# KiCad board motordecoder2-k3066v3-p.kicad_pcb (continued)
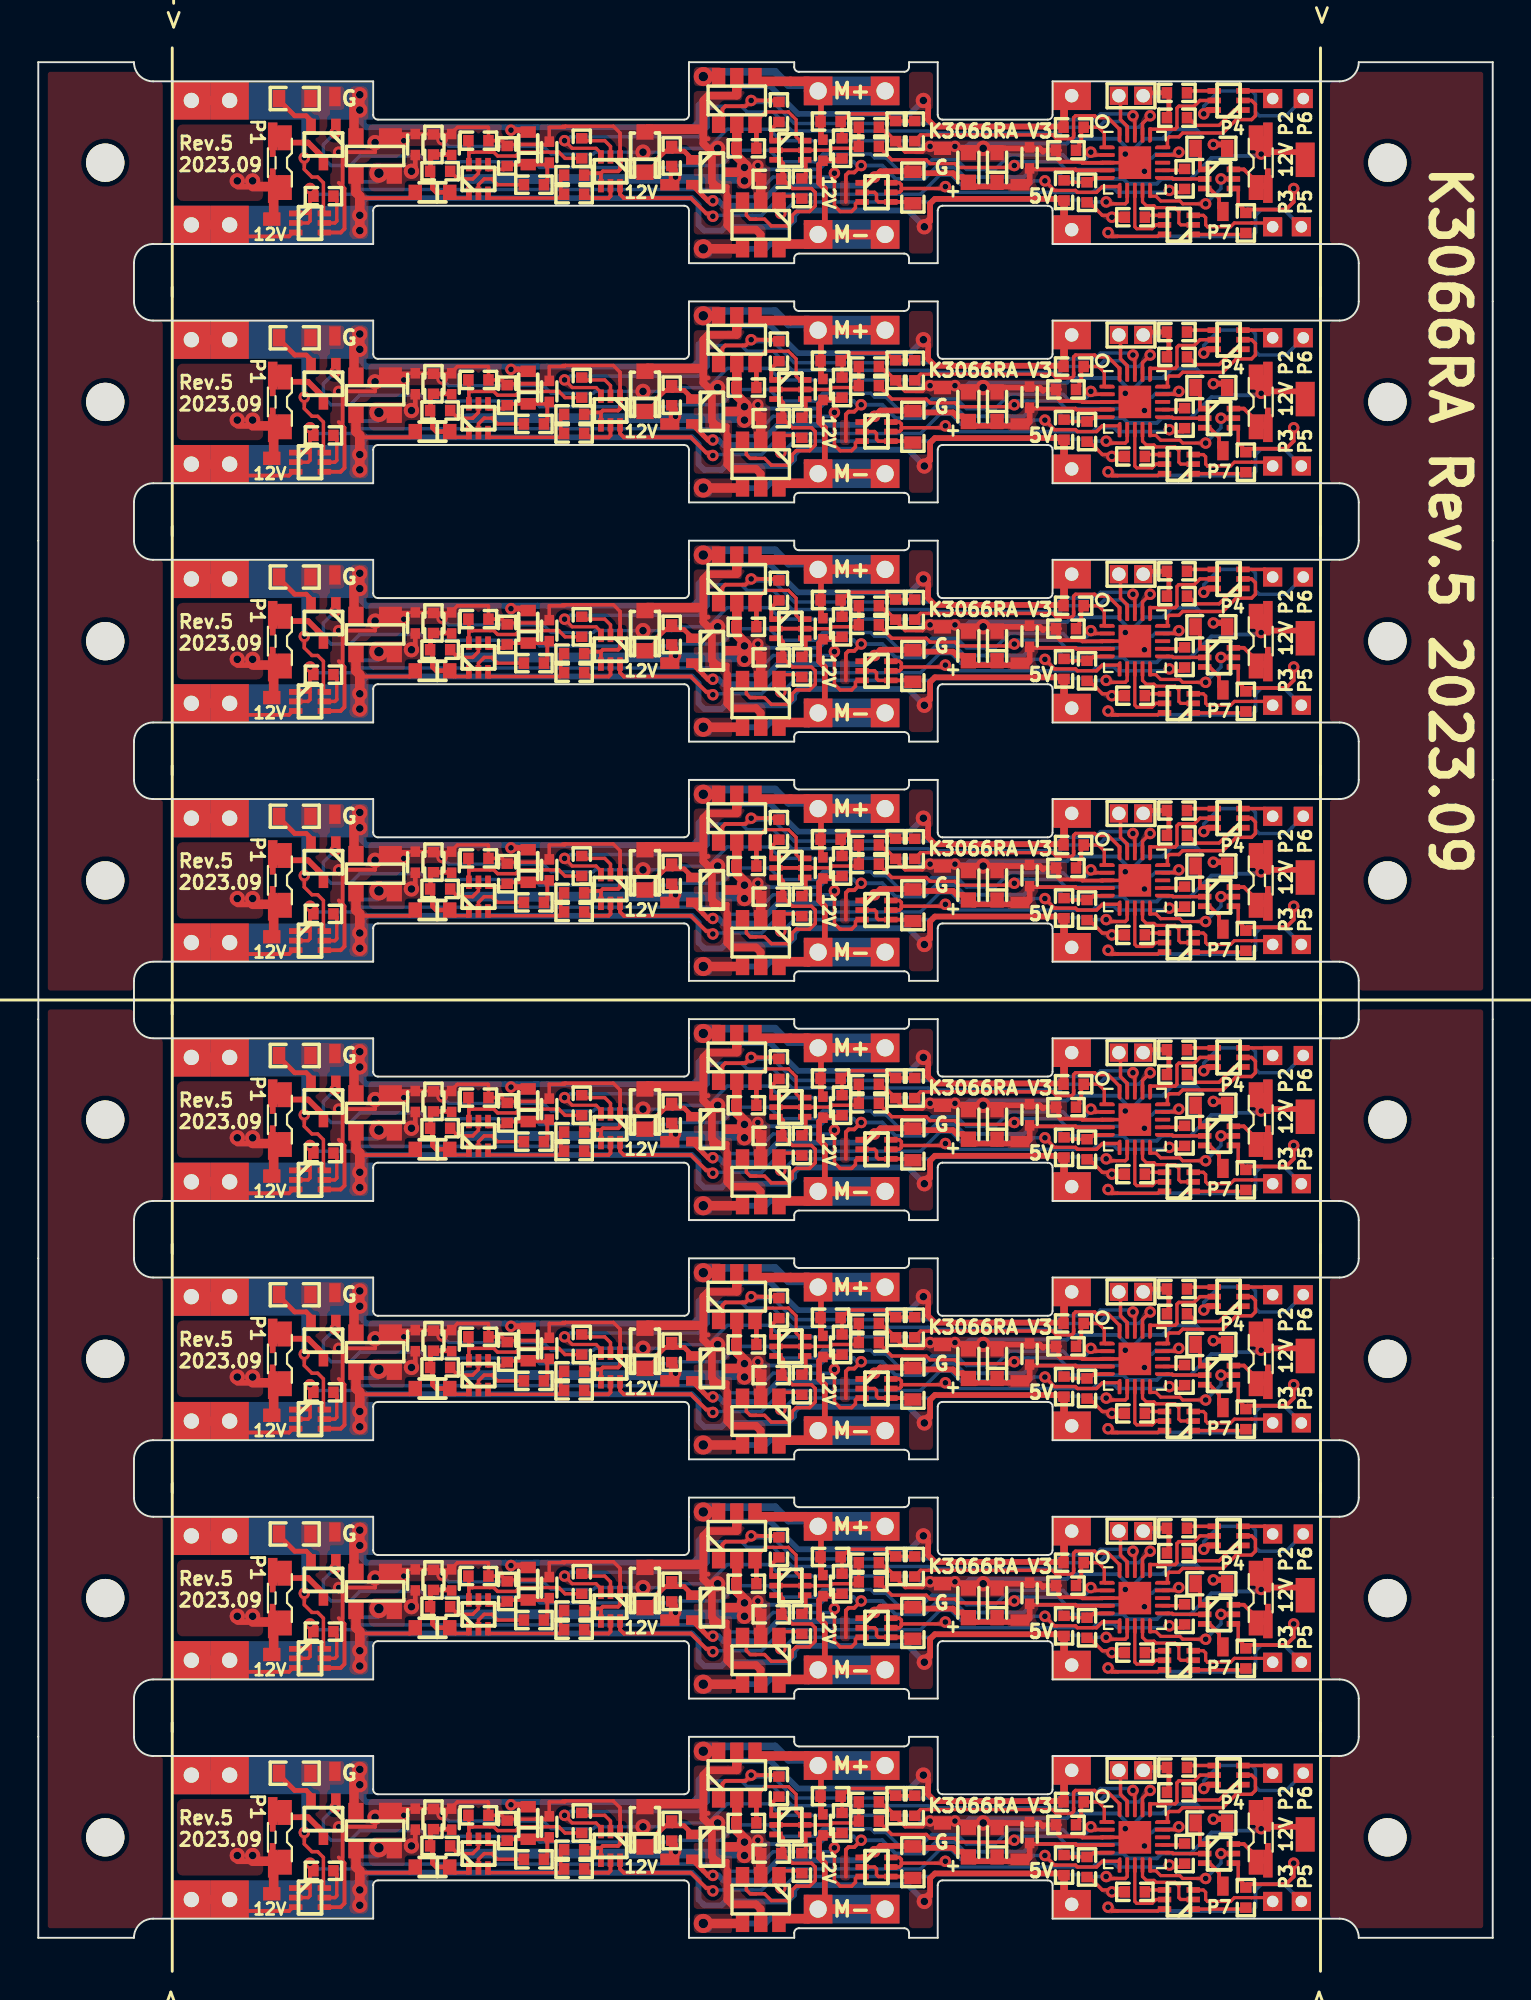
[diagram p0: board, top side]
## Placement (name value [footprint] x y rotation side) (continued)
R140  472  [R_1005]  33.1 43.1 90 top
R141  103  [R_1005]  59.9 41.9 90 top
R142  220  [R_1608_v2]  45.7 41.45 90 top
R143  682  [R_1005]  14.9 41 0 top
R144  103  [R_1005]  44.8 44.4 270 top
R145  104  [R_1005]  53.7 43.4 180 top
R146  104  [R_1005]  54.8 41.2 270 top
R147  151  [R_1608_v2]  13.4 46.1 0 top
R148  151  [R_1608_v2]  61.3 43.5 0 top
R149  472  [R_1005]  63.1 39.6 90 top
R150  472  [R_1005]  57.3 39.9 180 top
R151  472  [R_1005]  59.5 45.1 180 top
R152  472  [R_1005]  59.5 46.4 180 top
R153  102  [R_1005]  25.9 41.6 0 top
R154  103  [R_1005]  24.5 43.1 90 top
R155  472  [R_1005]  23 43.9 0 top
R156  103  [R_1005]  28.4 43.5 270 top
R157  102  [R_1005]  21 42.3 180 top
R158  103  [R_1005]  20.65 43.7 90 top
R159  472  [R_1005]  28 42.1 0 top
R160  103  [R_1005]  28 41.1 180 top
R161  104  [R_1005]  54.1 32.1 0 top
R162  104  [R_1005]  53.6 28.8 90 top
R163  102  [R_1005]  37 31 0 top
R164  102  [R_1005]  38.3 29.4 0 top
R165  331  [R_1005]  38.7 32.9 90 top
R166  331  [R_1005]  39.9 28.9 270 top
R167  102  [R_1005]  43.4 31.1 180 top
R168  102  [R_1005]  43.4 32.1 0 top
R169  103  [R_1005]  41.4 32.4 180 top
R170  103  [R_1005]  42 31 270 top
R171  102  [R_1005]  45.8 31.9 90 top
R172  472  [R_1005]  33.1 30.6 90 top
R173  103  [R_1005]  59.9 29.4 90 top
R174  220  [R_1608_v2]  45.7 28.95 90 top
R175  682  [R_1005]  14.9 28.5 0 top
R176  103  [R_1005]  44.8 31.9 270 top
R177  104  [R_1005]  53.7 30.9 180 top
R178  104  [R_1005]  54.8 28.7 270 top
R179  151  [R_1608_v2]  13.4 33.6 0 top
R180  151  [R_1608_v2]  61.3 31 0 top
R181  472  [R_1005]  63.1 27.1 90 top
R182  472  [R_1005]  57.3 27.4 180 top
R183  472  [R_1005]  59.5 32.6 180 top
R184  472  [R_1005]  59.5 33.9 180 top
R185  102  [R_1005]  25.9 29.1 0 top
R186  103  [R_1005]  24.5 30.6 90 top
R187  472  [R_1005]  23 31.4 0 top
R188  103  [R_1005]  28.4 31 270 top
R189  102  [R_1005]  21 29.8 180 top
R190  103  [R_1005]  20.65 31.2 90 top
R191  472  [R_1005]  28 29.6 0 top
R192  103  [R_1005]  28 28.6 180 top
R193  104  [R_1005]  54.1 19.6 0 top
R194  104  [R_1005]  53.6 16.3 90 top
R195  102  [R_1005]  37 18.5 0 top
R196  102  [R_1005]  38.3 16.9 0 top
R197  331  [R_1005]  38.7 20.4 90 top
R198  331  [R_1005]  39.9 16.4 270 top
R199  102  [R_1005]  43.4 18.6 180 top
R200  102  [R_1005]  43.4 19.6 0 top
R201  103  [R_1005]  41.4 19.9 180 top
R202  103  [R_1005]  42 18.5 270 top
R203  102  [R_1005]  45.8 19.4 90 top
R204  472  [R_1005]  33.1 18.1 90 top
R205  103  [R_1005]  59.9 16.9 90 top
R206  220  [R_1608_v2]  45.7 16.45 90 top
R207  682  [R_1005]  14.9 16 0 top
R208  103  [R_1005]  44.8 19.4 270 top
R209  104  [R_1005]  53.7 18.4 180 top
R210  104  [R_1005]  54.8 16.2 270 top
R211  151  [R_1608_v2]  13.4 21.1 0 top
R212  151  [R_1608_v2]  61.3 18.5 0 top
R213  472  [R_1005]  63.1 14.6 90 top
R214  472  [R_1005]  57.3 14.9 180 top
R215  472  [R_1005]  59.5 20.1 180 top
R216  472  [R_1005]  59.5 21.4 180 top
R217  102  [R_1005]  25.9 16.6 0 top
R218  103  [R_1005]  24.5 18.1 90 top
R219  472  [R_1005]  23 18.9 0 top
R220  103  [R_1005]  28.4 18.5 270 top
R221  102  [R_1005]  21 17.3 180 top
R222  103  [R_1005]  20.65 18.7 90 top
R223  472  [R_1005]  28 17.1 0 top
R224  103  [R_1005]  28 16.1 180 top
R225  104  [R_1005]  54.1 7.1 0 top
R226  104  [R_1005]  53.6 3.8 90 top
R227  102  [R_1005]  37 6 0 top
R228  102  [R_1005]  38.3 4.4 0 top
R229  331  [R_1005]  38.7 7.9 90 top
R230  331  [R_1005]  39.9 3.9 270 top
R231  102  [R_1005]  43.4 6.1 180 top
R232  102  [R_1005]  43.4 7.1 0 top
R233  103  [R_1005]  41.4 7.4 180 top
R234  103  [R_1005]  42 6 270 top
R235  102  [R_1005]  45.8 6.9 90 top
R236  472  [R_1005]  33.1 5.6 90 top
R237  103  [R_1005]  59.9 4.4 90 top
R238  220  [R_1608_v2]  45.7 3.95 90 top
R239  682  [R_1005]  14.9 3.5 0 top
R240  103  [R_1005]  44.8 6.9 270 top
R241  104  [R_1005]  53.7 5.9 180 top
R242  104  [R_1005]  54.8 3.7 270 top
R243  151  [R_1608_v2]  13.4 8.6 0 top
R244  151  [R_1608_v2]  61.3 6 0 top
R245  472  [R_1005]  63.1 2.1 90 top
R246  472  [R_1005]  57.3 2.4 180 top
R247  472  [R_1005]  59.5 7.6 180 top
R248  472  [R_1005]  59.5 8.9 180 top
R249  102  [R_1005]  25.9 4.1 0 top
R250  103  [R_1005]  24.5 5.6 90 top
R251  472  [R_1005]  23 6.4 0 top
R252  103  [R_1005]  28.4 6 270 top
R253  102  [R_1005]  21 4.8 180 top
R254  103  [R_1005]  20.65 6.2 90 top
R255  472  [R_1005]  28 4.6 0 top
R256  103  [R_1005]  28 3.6 180 top
REF**  -  [HOLE_MASK_LOCK]  3.5 92.75 0 top
REF**1  -  [HOLE_MASK_LOCK]  3.5 80.25 0 top
REF**2  -  [HOLE_MASK_LOCK]  3.5 67.75 0 top
REF**3  -  [HOLE_MASK_LOCK]  3.5 55.25 0 top
REF**4  -  [HOLE_MASK_LOCK]  3.5 42.75 0 top
REF**5  -  [HOLE_MASK_LOCK]  3.5 30.25 0 top
REF**6  -  [HOLE_MASK_LOCK]  3.5 17.75 0 top
REF**7  -  [HOLE_MASK_LOCK]  3.5 5.25 0 top
U2  ATtiny1606-M  [VQFN-20-1EP_3x3mm_P0.4mm_EP1.7x1.7mm]  57.3 92.75 0 top
U3  ATtiny1606-M  [VQFN-20-1EP_3x3mm_P0.4mm_EP1.7x1.7mm]  57.3 80.25 0 top
U4  ATtiny1606-M  [VQFN-20-1EP_3x3mm_P0.4mm_EP1.7x1.7mm]  57.3 67.75 0 top
U5  ATtiny1606-M  [VQFN-20-1EP_3x3mm_P0.4mm_EP1.7x1.7mm]  57.3 55.25 0 top
U6  ATtiny1606-M  [VQFN-20-1EP_3x3mm_P0.4mm_EP1.7x1.7mm]  57.3 42.75 0 top
U7  ATtiny1606-M  [VQFN-20-1EP_3x3mm_P0.4mm_EP1.7x1.7mm]  57.3 30.25 0 top
U8  ATtiny1606-M  [VQFN-20-1EP_3x3mm_P0.4mm_EP1.7x1.7mm]  57.3 17.75 0 top
U9  ATtiny1606-M  [VQFN-20-1EP_3x3mm_P0.4mm_EP1.7x1.7mm]  57.3 5.25 0 top

## Footprints (pads in the part's own frame, mm; a bottom-side part is the same pattern mirrored in y, then rotated)
C_1005_v2
  rect 0.55x0.5 smd: 1(-0.55,0) 2(0.55,0)
C_1608
  rect 0.8x0.8 smd: 1(-0.775,0) 2(0.775,0)
CP_1608
  rect 0.8x0.7 smd: 1(-0.775,0) 2(0.775,0)
EMD2
  rect 0.7x0.8 smd: 1(0.9,0) 2(-0.9,0)
EMD2_small
  rect 0.6x0.8 smd: 1(0.85,0) 2(-0.85,0)
HOLE_MASK_LOCK
  round 2 hole 2 unplated: (0,0)
KATO_FRAMEPAD_3066_2
  rect 2x1.5 hole 0.7: 1(0,0)
KATO_FRAMEPAD_3066_v2
  rect 6.5x2 smd far side: 1(-5.25,0)
  rect 2x2 hole 0.8: 1(-1,0) 1(1,0)
KATO_MOTORPAD_3066
  rect 1.5x1.5 hole 0.9: 1(-1.75,0) 1(1.75,0)
  rect 2x1.5 smd far side: 1(0,0)
LED_1224_1005_SIDE_BIG2
  rect 1.45x0.5 smd: 1(-1.375,0.25) 2(1.375,0.25)
  rect 1.3x0.75 smd: 1(-1.3,0.875) 2(1.3,0.875)
  rect 0.5x0.3 smd: 1(-0.55,0.25) 2(0.55,0.25)
PAD_0.6x1.0_SMD
  rect 0.6x1 smd: 1(0,0)
PAD_0.7x0.9_SMD
  rect 0.7x0.9 smd: 1(0,0)
PAD_1.0x1.0_Hole0.6
  rect 1x1 hole 0.6: 1(0,0)
PAD_1.0x1.8_SMD
  rect 1x1.8 smd: 1(0,0)
PAD_PROG_2PIN_HOLE0.7
  rect 0.95x0.95 hole 0.7: 1(-0.635,0) 2(0.635,0)
R_1005
  rect 0.55x0.6 smd: 1(-0.525,0) 2(0.525,0)
R_1608_v2
  rect 0.65x0.9 smd: 1(-0.825,0) 2(0.825,0)
SC-70_v2
  rect 0.5x0.8 smd: 1(-0.65,-0.95) 2(0.65,-0.95) 3(0,0.95)
SOT-23-6
  rect 0.7x1 smd: 1(-0.95,-1.2) 2(0,-1.2) 3(0.95,-1.2) 4(0.95,1.2) 5(0,1.2) 6(-0.95,1.2)
SOT-143
  rect 1.2x0.9 smd: 1(-0.8,-1)
  rect 0.8x0.9 smd: 2(1,-1) 3(1,1) 4(-1,1)
SOT-666-nomark
  rect 0.7x0.3 smd: 1(-0.75,0.5) 2(-0.75,0) 3(-0.75,-0.5) 4(0.75,-0.5) 5(0.75,0) 6(0.75,0.5)
UMD2
  rect 0.8x0.9 smd: 1(1.05,0) 2(-1.05,0)
unnamed
  round 2 hole 2 unplated: (0,0)
VQFN-20-1EP_3x3mm_P0.4mm_EP1.7x1.7mm
  rrect 0.69x0.69 smd: (-0.425,0.425) (-0.425,-0.425) (0.425,0.425) (0.425,-0.425)
  custom 0.8x0.2 smd: 1(-1.45,0.8) 5(-1.45,-0.8) 11(1.45,-0.8) 15(1.45,0.8)
  rrect 0.8x0.2 smd: 2(-1.45,0.4) 3(-1.45,0) 4(-1.45,-0.4) 12(1.45,-0.4) 13(1.45,0) 14(1.45,0.4)
  custom 0.2x0.8 smd: 6(-0.8,-1.45) 10(0.8,-1.45) 16(0.8,1.45) 20(-0.8,1.45)
  rrect 0.2x0.8 smd: 7(-0.4,-1.45) 8(0,-1.45) 9(0.4,-1.45) 17(0.4,1.45) 18(0,1.45) 19(-0.4,1.45)
  rect 1.7x1.7 smd: 21(0,0)

## Nets
+5V: C3.1 C4.1 C5.1 C6.1 C8.1 C9.1 C16.1 C17.1 C18.1 C23.1 C24.1 C25.1 C30.1 C31.1 C32.1 C37.1 C38.1 C39.1 C44.1 C45.1 C46.1 C51.1 C52.1 C53.1 P10.1 P21.1 P32.1 P43.1 P54.1 P65.1 P76.1 P87.1 Q5.2 Q6.1 Q10.2 Q15.1 Q28.2 Q29.1 Q40.2 Q41.1 Q52.2 Q53.1 Q64.2 Q65.1 Q76.2 Q77.1 Q88.2 Q89.1 R14.2 R46.2 R78.2 R110.2 R142.2 R174.2 R206.2 R238.2 U2.4 U3.4 U4.4 U5.4 U6.4 U7.4 U8.4 U9.4
+12V: C1.1 C2.1 C15.1 C22.1 C29.1 C36.1 C43.1 C50.1 D1.4 D2.4 D5.4 D7.4 D9.4 D11.2 D12.2 D13.2 D14.2 D15.2 D16.2 D17.2 D18.2 D19.2 D20.2 D31.4 D33.2 D34.2 D37.4 D39.2 D40.2 D43.4 D45.2 D46.2 J11.1 J13.1 J15.1 J20.1 J25.1 J27.1 J32.1 J34.1 J39.1 J41.1 J46.1 J48.1 J53.1 J55.1 J60.1 J62.1 P7.1 P18.1 P29.1 P40.1 P51.1 P62.1 P73.1 P84.1 Q1.2 Q2.2 Q4.2 Q5.3 Q7.2 Q10.3 Q25.2 Q26.2 Q28.3 Q37.2 Q38.2 Q40.3 Q49.2 Q50.2 Q52.3 Q61.2 Q62.2 Q64.3 Q73.2 Q74.2 Q76.3 Q85.2 Q86.2 Q88.3 R3.1 R4.1 R12.1 R27.1 R28.1 R44.1 R67.1 R68.1 R76.1 R99.1 R100.1 R108.1 R131.1 R132.1 R140.1 R163.1 R164.1 R172.1 R195.1 R196.1 R204.1 R227.1 R228.1 R236.1
GND: C1.2 C2.2 C3.2 C4.2 C5.2 C6.2 C8.2 C9.2 C11.2 C12.2 C13.2 C14.2 C15.2 C16.2 C17.2 C18.2 C20.2 C21.2 C22.2 C23.2 C24.2 C25.2 C27.2 C28.2 C29.2 C30.2 C31.2 C32.2 C34.2 C35.2 C36.2 C37.2 C38.2 C39.2 C41.2 C42.2 C43.2 C44.2 C45.2 C46.2 C48.2 C49.2 C50.2 C51.2 C52.2 C53.2 C55.2 C56.2 D1.1 D2.1 D3.2 D4.2 D5.1 D6.2 D7.1 D8.2 D9.1 D10.2 D31.1 D32.2 D37.1 D38.2 D43.1 D44.2 P8.1 P9.2 P11.1 P19.1 P20.2 P22.1 P30.1 P31.2 P33.1 P41.1 P42.2 P44.1 P52.1 P53.2 P55.1 P63.1 P64.2 P66.1 P74.1 P75.2 P77.1 P85.1 P86.2 P88.1 Q1.5 Q2.5 Q4.5 Q7.5 Q8.4 Q12.4 Q16.4 Q18.4 Q22.1 Q22.4 Q24.1 Q24.4 Q25.5 Q26.5 Q30.4 Q32.4 Q36.1 Q36.4 Q37.5 Q38.5 Q42.4 Q44.4 Q48.1 Q48.4 Q49.5 Q50.5 Q54.4 Q56.4 Q60.1 Q60.4 Q61.5 Q62.5 Q66.4 Q68.4 Q72.1 Q72.4 Q73.5 Q74.5 Q78.4 Q80.4 Q84.1 Q84.4 Q85.5 Q86.5 Q90.4 Q92.4 Q96.1 Q96.4 R8.2 R16.2 R17.2 R18.2 R21.2 R22.2 R23.2 R24.2 R25.2 R26.2 R32.2 R33.2 R36.2 R37.2 R40.2 R48.2 R49.2 R50.2 R51.2 R52.2 R53.2 R54.2 R55.2 R56.2 R58.2 R59.2 R62.2 R63.2 R72.2 R80.2 R81.2 R82.2 R83.2 R84.2 R85.2 R86.2 R87.2 R88.2 R90.2 R91.2 R94.2 R95.2 R104.2 R112.2 R113.2 R114.2 R115.2 R116.2 R117.2 R118.2 R119.2 R120.2 R122.2 R123.2 R126.2 R127.2 R136.2 R144.2 R145.2 R146.2 R147.2 R148.2 R149.2 R150.2 R151.2 R152.2 R154.2 R155.2 R158.2 R159.2 R168.2 R176.2 R177.2 R178.2 R179.2 R180.2 R181.2 R182.2 R183.2 R184.2 R186.2 R187.2 R190.2 R191.2 R200.2 R208.2 R209.2 R210.2 R211.2 R212.2 R213.2 R214.2 R215.2 R216.2 R218.2 R219.2 R222.2 R223.2 R232.2 R240.2 R241.2 R242.2 R243.2 R244.2 R245.2 R246.2 R247.2 R248.2 R250.2 R251.2 R254.2 R255.2 U2.3 U2.21 U3.3 U3.21 U4.3 U4.21 U5.3 U5.21 U6.3 U6.21 U7.3 U7.21 U8.3 U8.21 U9.3 U9.21
ABC+: Q22.6 Q24.6 Q36.6 Q48.6 Q60.6 Q72.6 Q84.6 Q96.6 U2.6 U3.6 U4.6 U5.6 U6.6 U7.6 U8.6 U9.6
ABC-: Q22.3 Q24.3 Q36.3 Q48.3 Q60.3 Q72.3 Q84.3 Q96.3 U2.17 U3.17 U4.17 U5.17 U6.17 U7.17 U8.17 U9.17
BEMF: R11.1 R43.1 R75.1 R107.1 R139.1 R171.1 R203.1 R235.1 U2.20 U3.20 U4.20 U5.20 U6.20 U7.20 U8.20 U9.20
DIR_JP: U2.13 U3.13 U4.13 U5.13 U6.13 U7.13 U8.13 U9.13
Func1: Q11.1 Q17.1 Q31.1 Q43.1 Q55.1 Q67.1 Q79.1 Q91.1 U2.2 U3.2 U4.2 U5.2 U6.2 U7.2 U8.2 U9.2
Func2: Q14.5 Q20.5 Q34.5 Q46.5 Q58.5 Q70.5 Q82.5 Q94.5 U2.16 U3.16 U4.16 U5.16 U6.16 U7.16 U8.16 U9.16
Func3: Q13.5 Q19.5 Q33.5 Q45.5 Q57.5 Q69.5 Q81.5 Q93.5 U2.8 U3.8 U4.8 U5.8 U6.8 U7.8 U8.8 U9.8
Func4: Q12.2 Q18.2 Q32.2 Q44.2 Q56.2 Q68.2 Q80.2 Q92.2 U2.11 U3.11 U4.11 U5.11 U6.11 U7.11 U8.11 U9.11
Func5: Q13.2 Q19.2 Q33.2 Q45.2 Q57.2 Q69.2 Q81.2 Q93.2 U2.9 U3.9 U4.9 U5.9 U6.9 U7.9 U8.9 U9.9
Func6: Q14.2 Q20.2 Q34.2 Q46.2 Q58.2 Q70.2 Q82.2 Q94.2 U2.15 U3.15 U4.15 U5.15 U6.15 U7.15 U8.15 U9.15
Func7: Q12.5 Q18.5 Q32.5 Q44.5 Q56.5 Q68.5 Q80.5 Q92.5 U2.10 U3.10 U4.10 U5.10 U6.10 U7.10 U8.10 U9.10
FWD: Q2.1 Q7.1 Q26.1 Q38.1 Q50.1 Q62.1 Q74.1 Q86.1 R6.2 R30.2 R70.2 R102.2 R134.2 R166.2 R198.2 R230.2 U2.7 U3.7 U4.7 U5.7 U6.7 U7.7 U8.7 U9.7
MOTOR+: C7.1 C10.1 C19.1 C26.1 C33.1 C40.1 C47.1 C54.1 P5.1 P16.1 P27.1 P38.1 P49.1 P60.1 P71.1 P82.1 Q1.4 Q1.6 Q4.4 Q4.6 Q25.4 Q25.6 Q37.4 Q37.6 Q49.4 Q49.6 Q61.4 Q61.6 Q73.4 Q73.6 Q85.4 Q85.6 R9.2 R41.2 R73.2 R105.2 R137.2 R169.2 R201.2 R233.2
MOTOR-: C7.2 C10.2 C19.2 C26.2 C33.2 C40.2 C47.2 C54.2 P6.1 P17.1 P28.1 P39.1 P50.1 P61.1 P72.1 P83.1 Q2.4 Q2.6 Q7.4 Q7.6 Q26.4 Q26.6 Q38.4 Q38.6 Q50.4 Q50.6 Q62.4 Q62.6 Q74.4 Q74.6 Q86.4 Q86.6 R10.2 R42.2 R74.2 R106.2 R138.2 R170.2 R202.2 R234.2
PWM: R7.1 R39.1 R71.1 R103.1 R135.1 R167.1 R199.1 R231.1 U2.14 U3.14 U4.14 U5.14 U6.14 U7.14 U8.14 U9.14
RAIL+: D1.2 D2.2 D5.2 D7.2 D9.2 D21.2 D23.2 D25.2 D27.2 D29.2 D31.2 D35.2 D37.2 D41.2 D43.2 D47.2 P1.1 P2.1 P12.1 P13.1 P23.1 P24.1 P34.1 P35.1 P45.1 P46.1 P56.1 P57.1 P67.1 P68.1 P78.1 P79.1 Q8.6 Q16.6 Q30.6 Q42.6 Q54.6 Q66.6 Q78.6 Q90.6 R1.1 R19.1 R65.1 R97.1 R129.1 R161.1 R193.1 R225.1
RAIL-: D1.3 D2.3 D5.3 D7.3 D9.3 D22.2 D24.2 D26.2 D28.2 D30.2 D31.3 D36.2 D37.3 D42.2 D43.3 D48.2 P3.1 P4.1 P14.1 P15.1 P25.1 P26.1 P36.1 P37.1 P47.1 P48.1 P58.1 P59.1 P69.1 P70.1 P80.1 P81.1 Q8.3 Q16.3 Q30.3 Q42.3 Q54.3 Q66.3 Q78.3 Q90.3 R2.1 R20.1 R66.1 R98.1 R130.1 R162.1 R194.1 R226.1
REV: Q1.1 Q4.1 Q25.1 Q37.1 Q49.1 Q61.1 Q73.1 Q85.1 R5.2 R29.2 R69.2 R101.2 R133.2 R165.2 R197.2 R229.2 U2.18 U3.18 U4.18 U5.18 U6.18 U7.18 U8.18 U9.18
TXD: R13.2 R45.2 R77.2 R109.2 R141.2 R173.2 R205.2 R237.2 U2.12 U3.12 U4.12 U5.12 U6.12 U7.12 U8.12 U9.12
UPDI: P9.1 P20.1 P31.1 P42.1 P53.1 P64.1 P75.1 P86.1 U2.19 U3.19 U4.19 U5.19 U6.19 U7.19 U8.19 U9.19
VRAIL+: C11.1 C13.1 C20.1 C27.1 C34.1 C41.1 C48.1 C55.1 D21.1 D23.1 D25.1 D27.1 D29.1 D35.1 D41.1 D47.1 Q21.4 Q23.4 Q35.4 Q47.4 Q59.4 Q71.4 Q83.4 Q95.4 R31.2 R32.1 R57.2 R58.1 R89.2 R90.1 R121.2 R122.1 R153.2 R154.1 R185.2 R186.1 R217.2 R218.1 R249.2 R250.1
VRAIL-: C12.1 C14.1 C21.1 C28.1 C35.1 C42.1 C49.1 C56.1 D22.1 D24.1 D26.1 D28.1 D30.1 D36.1 D42.1 D48.1 Q21.1 Q23.1 Q35.1 Q47.1 Q59.1 Q71.1 Q83.1 Q95.1 R35.2 R36.1 R61.2 R62.1 R93.2 R94.1 R125.2 R126.1 R157.2 R158.1 R189.2 R190.1 R221.2 R222.1 R253.2 R254.1
Net-(D3-Pad1): D3.1 D4.1 D6.1 D8.1 D10.1 D32.1 D38.1 D44.1 Q5.1 Q10.1 Q28.1 Q40.1 Q52.1 Q64.1 Q76.1 Q88.1 R12.2 R44.2 R76.2 R108.2 R140.2 R172.2 R204.2 R236.2
Net-(D11-Pad1): D11.1 D13.1 D15.1 D17.1 D19.1 D33.1 D39.1 D45.1 Q11.3 Q17.3 Q31.3 Q43.3 Q55.3 Q67.3 Q79.3 Q91.3
Net-(D12-Pad1): D12.1 D14.1 D16.1 D18.1 D20.1 D34.1 D40.1 D46.1 Q12.6 Q18.6 Q32.6 Q44.6 Q56.6 Q68.6 Q80.6 Q92.6
Net-(J12-Pad1): J12.1 J17.1 J26.1 J33.1 J40.1 J47.1 J54.1 J61.1 Q13.6 Q19.6 Q33.6 Q45.6 Q57.6 Q69.6 Q81.6 Q93.6
Net-(J14-Pad1): J14.1 J21.1 J28.1 J35.1 J42.1 J49.1 J56.1 J63.1 Q13.3 Q19.3 Q33.3 Q45.3 Q57.3 Q69.3 Q81.3 Q93.3
Net-(J16-Pad1): J16.1 J22.1 J29.1 J36.1 J43.1 J50.1 J57.1 J64.1 Q14.6 Q20.6 Q34.6 Q46.6 Q58.6 Q70.6 Q82.6 Q94.6
Net-(J18-Pad1): J18.1 J23.1 J30.1 J37.1 J44.1 J51.1 J58.1 J65.1 Q14.3 Q20.3 Q34.3 Q46.3 Q58.3 Q70.3 Q82.3 Q94.3
Net-(J19-Pad1): J19.1 J24.1 J31.1 J38.1 J45.1 J52.1 J59.1 J66.1 Q12.3 Q18.3 Q32.3 Q44.3 Q56.3 Q68.3 Q80.3 Q92.3
Net-(Q1-Pad3): Q1.3 Q3.6 Q4.3 Q9.6 Q25.3 Q27.6 Q37.3 Q39.6 Q49.3 Q51.6 Q61.3 Q63.6 Q73.3 Q75.6 Q85.3 Q87.6 R3.2 R27.2 R67.2 R99.2 R131.2 R163.2 R195.2 R227.2
Net-(Q2-Pad3): Q2.3 Q3.3 Q7.3 Q9.3 Q26.3 Q27.3 Q38.3 Q39.3 Q50.3 Q51.3 Q62.3 Q63.3 Q74.3 Q75.3 Q86.3 Q87.3 R4.2 R28.2 R68.2 R100.2 R132.2 R164.2 R196.2 R228.2
Net-(Q3-Pad1): Q3.1 Q9.1 Q27.1 Q39.1 Q51.1 Q63.1 Q75.1 Q87.1 R5.1 R29.1 R69.1 R101.1 R133.1 R165.1 R197.1 R229.1
Net-(Q3-Pad2): Q3.2 Q3.5 Q9.2 Q9.5 Q27.2 Q27.5 Q39.2 Q39.5 Q51.2 Q51.5 Q63.2 Q63.5 Q75.2 Q75.5 Q87.2 Q87.5 R7.2 R8.1 R39.2 R40.1 R71.2 R72.1 R103.2 R104.1 R135.2 R136.1 R167.2 R168.1 R199.2 R200.1 R231.2 R232.1
Net-(Q3-Pad4): Q3.4 Q9.4 Q27.4 Q39.4 Q51.4 Q63.4 Q75.4 Q87.4 R6.1 R30.1 R70.1 R102.1 R134.1 R166.1 R198.1 R230.1
Net-(Q6-Pad2): Q6.2 Q6.4 Q15.2 Q15.4 Q29.2 Q29.4 Q41.2 Q41.4 Q53.2 Q53.4 Q65.2 Q65.4 Q77.2 Q77.4 Q89.2 Q89.4 R14.1 R46.1 R78.1 R110.1 R142.1 R174.1 R206.1 R238.1
Net-(Q6-Pad3): Q6.3 Q8.1 Q8.2 Q15.3 Q16.1 Q16.2 Q29.3 Q30.1 Q30.2 Q41.3 Q42.1 Q42.2 Q53.3 Q54.1 Q54.2 Q65.3 Q66.1 Q66.2 Q77.3 Q78.1 Q78.2 Q89.3 Q90.1 Q90.2 R15.1 R47.1 R79.1 R111.1 R143.1 R175.1 R207.1 R239.1
Net-(Q6-Pad5): Q6.5 Q6.6 Q15.5 Q15.6 Q29.5 Q29.6 Q41.5 Q41.6 Q53.5 Q53.6 Q65.5 Q65.6 Q77.5 Q77.6 Q89.5 Q89.6 R13.1 R45.1 R77.1 R109.1 R141.1 R173.1 R205.1 R237.1
Net-(Q8-Pad5): Q8.5 Q16.5 Q30.5 Q42.5 Q54.5 Q66.5 Q78.5 Q90.5 R15.2 R47.2 R79.2 R111.2 R143.2 R175.2 R207.2 R239.2
Net-(Q11-Pad2): Q11.2 Q17.2 Q31.2 Q43.2 Q55.2 Q67.2 Q79.2 Q91.2 R21.1 R51.1 R83.1 R115.1 R147.1 R179.1 R211.1 R243.1
Net-(Q12-Pad1): Q12.1 Q18.1 Q32.1 Q44.1 Q56.1 Q68.1 Q80.1 Q92.1 R22.1 R52.1 R84.1 R116.1 R148.1 R180.1 R212.1 R244.1
Net-(Q13-Pad1): Q13.1 Q19.1 Q33.1 Q45.1 Q57.1 Q69.1 Q81.1 Q93.1 R23.1 R53.1 R85.1 R117.1 R149.1 R181.1 R213.1 R245.1
Net-(Q13-Pad4): Q13.4 Q19.4 Q33.4 Q45.4 Q57.4 Q69.4 Q81.4 Q93.4 R24.1 R54.1 R86.1 R118.1 R150.1 R182.1 R214.1 R246.1
Net-(Q14-Pad1): Q14.1 Q20.1 Q34.1 Q46.1 Q58.1 Q70.1 Q82.1 Q94.1 R25.1 R55.1 R87.1 R119.1 R151.1 R183.1 R215.1 R247.1
Net-(Q14-Pad4): Q14.4 Q20.4 Q34.4 Q46.4 Q58.4 Q70.4 Q82.4 Q94.4 R26.1 R56.1 R88.1 R120.1 R152.1 R184.1 R216.1 R248.1
Net-(Q21-Pad2): Q21.2 Q23.2 Q35.2 Q47.2 Q59.2 Q71.2 Q83.2 Q95.2 R31.1 R57.1 R89.1 R121.1 R153.1 R185.1 R217.1 R249.1
Net-(Q21-Pad3): Q21.3 Q23.3 Q35.3 Q47.3 Q59.3 Q71.3 Q83.3 Q95.3 R37.1 R38.2 R63.1 R64.2 R95.1 R96.2 R127.1 R128.2 R159.1 R160.2 R191.1 R192.2 R223.1 R224.2 R255.1 R256.2
Net-(Q21-Pad5): Q21.5 Q23.5 Q35.5 Q47.5 Q59.5 Q71.5 Q83.5 Q95.5 R35.1 R61.1 R93.1 R125.1 R157.1 R189.1 R221.1 R253.1
Net-(Q21-Pad6): Q21.6 Q23.6 Q35.6 Q47.6 Q59.6 Q71.6 Q83.6 Q95.6 R33.1 R34.2 R59.1 R60.2 R91.1 R92.2 R123.1 R124.2 R155.1 R156.2 R187.1 R188.2 R219.1 R220.2 R251.1 R252.2
Net-(Q22-Pad2): Q22.2 Q24.2 Q36.2 Q48.2 Q60.2 Q72.2 Q84.2 Q96.2 R34.1 R60.1 R92.1 R124.1 R156.1 R188.1 R220.1 R252.1
Net-(Q22-Pad5): Q22.5 Q24.5 Q36.5 Q48.5 Q60.5 Q72.5 Q84.5 Q96.5 R38.1 R64.1 R96.1 R128.1 R160.1 R192.1 R224.1 R256.1
Net-(R1-Pad2): R1.2 R17.1 R19.2 R49.1 R65.2 R81.1 R97.2 R113.1 R129.2 R145.1 R161.2 R177.1 R193.2 R209.1 R225.2 R241.1 U2.1 U3.1 U4.1 U5.1 U6.1 U7.1 U8.1 U9.1
Net-(R10-Pad1): R9.1 R10.1 R11.2 R16.1 R41.1 R42.1 R43.2 R48.1 R73.1 R74.1 R75.2 R80.1 R105.1 R106.1 R107.2 R112.1 R137.1 R138.1 R139.2 R144.1 R169.1 R170.1 R171.2 R176.1 R201.1 R202.1 R203.2 R208.1 R233.1 R234.1 R235.2 R240.1
Net-(R18-Pad1): R2.2 R18.1 R20.2 R50.1 R66.2 R82.1 R98.2 R114.1 R130.2 R146.1 R162.2 R178.1 R194.2 R210.1 R226.2 R242.1 U2.5 U3.5 U4.5 U5.5 U6.5 U7.5 U8.5 U9.5

## Via types
v1: diameter 1, hole 0.5, Top to Bottom, 24 vias
v2: diameter 0.8, hole 0.4, Top to Bottom, 120 vias
v3: diameter 0.6, hole 0.3, Top to Bottom, 304 vias

## Routing (per net, layer and track width the routed paths; a pad name or vN(x,y) marks a point on that pad's centre or on a via; arc(x,y) is an arc through that point)
+5V: length 206.1
  Top w0.18: 51.8,29.88 51.88,29.88 ; C4.1 50.1,91.5 ; 51.8,67.38 51.88,67.38 ; 51.8,79.88 51.88,79.88 ; 51.8,54.88 51.88,54.88 ; C52.1 50.1,4 ; 51.8,92.38 51.88,92.38 ; C31.1 50.1,41.5 ; C45.1 50.1,16.5 ; C24.1 50.1,54 ; 51.8,17.38 51.88,17.38 ; C17.1 50.1,66.5 ; C38.1 50.1,29 ; 51.8,42.38 51.88,42.38 ; C8.1 50.1,79 ; 51.8,4.88 51.88,4.88
  Top w0.2: 34.05,66.6 33.95,66.5 ; 34.5,41.25 34.45,41.3 ; 34.5,66.25 34.45,66.3 ; 34.05,29.1 33.95,29 ; 51.8,79.97 51.88,79.9 54.2,79.9 54.25,79.85 56.05,79.85 ; 51.8,4.97 51.88,4.9 54.2,4.9 54.25,4.85 56.05,4.85 ; 56.05,17.35 54.25,17.35 54.2,17.4 51.88,17.4 51.8,17.47 ; 51.8,54.97 51.88,54.9 54.2,54.9 54.25,54.85 56.05,54.85 ; 51.8,67.47 51.88,67.4 54.2,67.4 54.25,67.35 56.05,67.35 ; 34.05,16.6 33.95,16.5 ; 34.05,91.6 33.95,91.5 ; 34.5,53.75 34.45,53.8 ; 34.5,28.75 34.45,28.8 ; 34.05,79.1 33.95,79 ; 34.05,4.1 33.95,4 ; 34.5,16.25 34.45,16.3 ; 34.5,3.75 34.45,3.8 ; 34.05,54.1 33.95,54 ; 34.5,78.75 34.45,78.8 ; 51.8,29.97 51.88,29.9 54.2,29.9 54.25,29.85 56.05,29.85 ; 56.05,42.35 54.25,42.35 54.2,42.4 51.88,42.4 51.8,42.47 ; 34.5,91.25 34.45,91.3 ; 56.05,92.35 54.25,92.35 54.2,92.4 51.88,92.4 51.8,92.47 ; 34.05,41.6 33.95,41.5
  Top w0.25: 34.25,79 35,78.25 35.24,78.25 v3(35.25,78.26) ; 34.25,29 35,28.25 35.24,28.25 v3(35.25,28.26) ; v3(35.25,53.26) 35.24,53.25 35,53.25 34.25,54 ; v3(35.25,40.76) 35.24,40.75 35,40.75 34.25,41.5 ; v3(35.25,3.26) 35.24,3.25 35,3.25 34.25,4 ; v3(35.25,90.76) 35.24,90.75 35,90.75 34.25,91.5 ; 34.25,16.5 35,15.75 35.24,15.75 v3(35.25,15.76) ; 34.25,66.5 35,65.75 35.24,65.75 v3(35.25,65.76)
  Top w0.3: C44.1 48.57,16.72 48.3,17 48,17 47.8,17.2 45.72,17.2 45.7,17.22 45.68,17.22 45.44,17.46 ; C30.1 48.57,41.72 48.3,42 48,42 47.8,42.2 45.72,42.2 45.7,42.22 45.68,42.22 45.44,42.46 ; 49.03,91.5 48.8,91.5 51.6,91.5 51.8,91.7 51.8,92.47 ; C6.1 48.57,79.22 48.3,79.5 48,79.5 47.8,79.7 45.72,79.7 45.7,79.72 45.68,79.72 45.44,79.96 ; R78.2 45.68,67.3 44,67.3 v3(43.7,67) 43.4,66.7 Q29.1 ; 49.03,4 48.8,4 51.6,4 51.8,4.2 51.8,4.97 ; Q77.1 43.4,16.7 v3(43.7,17) 44,17.3 45.68,17.3 R206.2 ; C3.1 48.57,91.72 48.3,92 48,92 47.8,92.2 45.72,92.2 45.7,92.22 45.68,92.22 45.44,92.46 ; 49.03,16.5 48.8,16.5 51.6,16.5 51.8,16.7 51.8,17.47 ; 45.7,79.78 45.68,79.8 44,79.8 v3(43.7,79.5) 43.4,79.2 Q15.1 ; C23.1 48.57,54.22 48.3,54.5 48,54.5 47.8,54.7 45.72,54.7 45.7,54.72 45.68,54.72 45.44,54.96 ; Q6.1 43.4,91.7 v3(43.7,92) 44,92.3 45.68,92.3 45.7,92.28 ; 49.03,41.5 48.8,41.5 51.6,41.5 51.8,41.7 51.8,42.47 ; C16.1 48.57,66.72 48.3,67 48,67 47.8,67.2 45.72,67.2 45.7,67.22 45.68,67.22 45.44,67.46 ; 45.44,4.96 45.68,4.72 45.7,4.72 45.72,4.7 47.8,4.7 48,4.5 48.3,4.5 48.57,4.22 C51.1 ; 45.44,29.96 45.68,29.72 45.7,29.72 45.72,29.7 47.8,29.7 48,29.5 48.3,29.5 48.57,29.22 C37.1 ; 49.03,66.5 48.8,66.5 51.6,66.5 51.8,66.7 51.8,67.47 ; R142.2 45.68,42.3 44,42.3 v3(43.7,42) 43.4,41.7 Q53.1 ; R174.2 45.68,29.8 44,29.8 v3(43.7,29.5) 43.4,29.2 Q65.1 ; Q41.1 43.4,54.2 v3(43.7,54.5) 44,54.8 45.68,54.8 R110.2 ; R238.2 45.68,4.8 44,4.8 v3(43.7,4.5) 43.4,4.2 Q89.1 ; 51.8,54.97 51.8,54.2 51.6,54 48.8,54 49.03,54 ; 51.8,29.97 51.8,29.2 51.6,29 48.8,29 49.03,29 ; 51.8,79.97 51.8,79.2 51.6,79 48.8,79 49.03,79
  Bottom w0.3: v3(35.25,90.76) 35.54,90.76 35.8,90.5 37.6,90.5 38.65,91.55 43.25,91.55 v3(43.7,92) ; v3(43.7,54.5) 43.25,54.05 38.65,54.05 37.6,53 35.8,53 35.54,53.26 v3(35.25,53.26) ; v3(43.7,4.5) 43.25,4.05 38.65,4.05 37.6,3 35.8,3 35.54,3.26 v3(35.25,3.26) ; v3(35.25,28.26) 35.54,28.26 35.8,28 37.6,28 38.65,29.05 43.25,29.05 v3(43.7,29.5) ; v3(43.7,42) 43.25,41.55 38.65,41.55 37.6,40.5 35.8,40.5 35.54,40.76 v3(35.25,40.76) ; v3(35.25,15.76) 35.54,15.76 35.8,15.5 37.6,15.5 38.65,16.55 43.25,16.55 v3(43.7,17) ; v3(35.25,65.76) 35.54,65.76 35.8,65.5 37.6,65.5 38.65,66.55 43.25,66.55 v3(43.7,67) ; v3(35.25,78.26) 35.54,78.26 35.8,78 37.6,78 38.65,79.05 43.25,79.05 v3(43.7,79.5)
+12V: length 559.6
  Top w0.17: D16.2 64.18,69.05 D16.2 ; D20.2 64.18,44.05 D20.2 ; D34.2 64.18,31.55 D34.2 ; D18.2 64.18,56.55 D18.2 ; D12.2 64.18,94.05 D12.2 ; D40.2 64.18,19.05 D40.2 ; D46.2 64.18,6.55 D46.2 ; D14.2 64.18,81.55 D14.2
  Top w0.18: 37,67.5 37,67.75 ; 37,17.5 37,17.75 ; 37,5 37,5.25 ; 37,92.5 37,92.75 ; 37,55 37,55.25 ; 37,80 37,80.25 ; 37,30 37,30.25 ; 37,42.5 37,42.75
  Top w0.2: v3(43,5.1) 42.64,4.74 42.34,4.74 42.2,4.6 42.2,3.2 ; 64.12,81.38 64.12,81.55 ; 64.12,81.55 64.25,81.42 D14.2 ; 64.12,81.55 64.07,81.5 ; D12.2 64.25,93.92 64.12,94.05 ; D34.2 64.25,31.42 64.12,31.55 ; D33.2 12.25,29.08 12.38,28.95 ; 64.12,31.38 64.12,31.55 ; 64.12,31.55 64.07,31.5 ; 64.12,56.55 64.25,56.42 D18.2 ; 64.12,56.55 64.07,56.5 ; 64.12,56.55 64.12,56.38 ; 42.2,53.2 42.2,54.6 42.34,54.74 42.64,54.74 v3(43,55.1) ; D15.2 12.25,66.58 12.38,66.45 ; 42.2,78.2 42.2,79.6 42.34,79.74 42.64,79.74 v3(43,80.1) ; 64.12,6.55 64.25,6.43 D46.2 ; 64.12,6.55 64.12,6.38 ; 64.12,6.55 64.07,6.5 ; v3(63.9,43.2) 63.6,43.5 ; 64.12,69.05 64.25,68.92 D16.2 ; 64.12,69.05 64.12,68.88 ; 64.12,69.05 64.07,69 ; v3(63.9,93.2) 63.6,93.5 ; D45.2 12.25,4.07 12.38,3.95 ; 42.2,40.7 42.2,42.1 42.34,42.24 42.64,42.24 v3(43,42.6) ; v3(63.9,80.7) 63.6,81 ; D19.2 12.25,41.58 12.38,41.45 ; v3(43,92.6) 42.64,92.24 42.34,92.24 42.2,92.1 42.2,90.7 ; D11.2 12.25,91.58 12.38,91.45 ; 12.38,78.95 12.25,79.08 D13.2 ; 64.07,94 64.12,94.05 ; 64.12,94.05 64.12,93.88 ; 64.12,18.88 64.12,19.05 ; 64.12,19.05 64.07,19 ; 64.12,19.05 64.25,18.92 D40.2 ; 12.38,53.95 12.25,54.08 D17.2 ; v3(63.9,18.2) 63.6,18.5 ; 42.2,15.7 42.2,17.1 42.34,17.24 42.64,17.24 v3(43,17.6) ; v3(43,30.1) 42.64,29.74 42.34,29.74 42.2,29.6 42.2,28.2 ; v3(63.9,55.7) 63.6,56 ; 64.12,44.05 64.25,43.92 D20.2 ; 64.12,44.05 64.12,43.88 ; 64.12,44.05 64.07,44 ; v3(63.9,5.7) 63.6,6 ; D39.2 12.25,16.58 12.38,16.45 ; v3(63.9,30.7) 63.6,31 ; v3(63.9,68.2) 63.6,68.5 ; 42.2,65.7 42.2,67.1 42.34,67.24 42.64,67.24 v3(43,67.6)
  Top w0.25: 63.88,94.05 63.9,94.03 v3(63.9,93.2) 64.15,93.2 D12.2 ; v2(19.5,54.8) 19.7,55 19.7,55.67 ; v3(33.3,42) 33.3,42.38 R140.1 ; v2(19.5,92.3) 19.7,92.5 19.7,93.17 ; R44.1 33.3,79.88 v3(33.3,79.5) ; v3(33.3,54.5) 33.3,54.88 R108.1 ; 19.7,30.67 19.7,30 v2(19.5,29.8) ; 19.7,43.17 19.7,42.5 v2(19.5,42.3) ; 63.88,56.55 63.9,56.53 v3(63.9,55.7) 64.15,55.7 D18.2 ; 63.88,81.55 63.9,81.53 v3(63.9,80.7) 64.15,80.7 D14.2 ; D34.2 64.15,30.7 v3(63.9,30.7) 63.9,31.53 63.88,31.55 ; R204.1 33.3,17.38 v3(33.3,17) ; 19.7,18.17 19.7,17.5 v2(19.5,17.3) ; 19.7,68.17 19.7,67.5 v2(19.5,67.3) ; D40.2 64.15,18.2 v3(63.9,18.2) 63.9,19.03 63.88,19.05 ; D16.2 64.15,68.2 v3(63.9,68.2) 63.9,69.03 63.88,69.05 ; R76.1 33.3,67.38 v3(33.3,67) ; D46.2 64.15,5.7 v3(63.9,5.7) 63.9,6.53 63.88,6.55 ; 63.88,44.05 63.9,44.03 v3(63.9,43.2) 64.15,43.2 D20.2 ; v2(19.5,79.8) 19.7,80 19.7,80.67 ; v3(33.3,92) 33.3,92.38 R12.1 ; R172.1 33.3,29.88 v3(33.3,29.5) ; 19.7,5.68 19.7,5 v2(19.5,4.8) ; R236.1 33.3,4.88 v3(33.3,4.5)
  Top w0.3: 12.55,91.28 12.38,91.45 ; R12.1 33.1,91.7 J13.1 ; D40.2 66,18.3 66.2,18.1 ; 12.55,66.28 12.38,66.45 ; J27.1 33.1,66.7 R76.1 ; 10.4,16.5 11.2,16.5 ; R108.1 33.1,54.2 J34.1 ; R204.1 33.1,16.7 J55.1 ; 66.2,5.6 66,5.8 D46.2 ; 12.55,3.78 12.38,3.95 ; 10.4,4 11.2,4 ; 10.4,54 11.2,54 ; 10.4,66.5 11.2,66.5 ; 66.2,43.1 66,43.3 D20.2 ; 12.55,53.78 12.38,53.95 ; 12.55,41.28 12.38,41.45 ; 66.2,30.6 66,30.8 D34.2 ; R140.1 33.1,41.7 J41.1 ; 10.4,91.5 11.2,91.5 ; D12.2 66,93.3 66.2,93.1 ; 66.2,55.6 66,55.8 D18.2 ; 10.4,79 11.2,79 ; 10.4,29 11.2,29 ; 12.55,78.78 12.38,78.95 ; 12.55,16.28 12.38,16.45 ; R172.1 33.1,29.2 J48.1 ; D14.2 66,80.8 66.2,80.6 ; R44.1 33.1,79.2 J20.1 ; J62.1 33.1,4.2 R236.1 ; 66.2,68.1 66,68.3 D16.2 ; 10.4,41.5 11.2,41.5 ; 12.55,28.78 12.38,28.95
  Top w0.4: 36.75,4.75 37,4.5 ; 36.75,4.75 35.95,4.75 ; 36.75,4.75 37,5 ; 36.75,67.25 37,67 ; 36.75,67.25 37,67.5 ; 36.75,67.25 35.95,67.25 ; 12.38,91.88 12.38,91.45 12.42,91.5 ; 35.95,54.75 36.75,54.75 ; 12.42,66.5 12.38,66.45 12.38,66.88 ; 36.75,79.75 35.95,79.75 ; 36.75,79.75 37,80 ; 36.75,79.75 37,79.5 ; 12.42,16.5 12.38,16.45 12.38,16.88 ; 36.75,42.25 37,42.5 ; 36.75,42.25 37,42 ; 36.75,42.25 35.95,42.25 ; 36.75,17.25 37,17 ; 36.75,17.25 37,17.5 ; 36.75,17.25 35.95,17.25 ; 36.75,92.25 35.95,92.25 ; 36.75,92.25 37,92.5 ; 36.75,92.25 37,92 ; 12.38,79.38 12.38,78.95 12.42,79 ; 36.75,29.75 37,29.5 ; 36.75,29.75 35.95,29.75 ; 36.75,29.75 37,30 ; 36.75,54.75 37,55 ; 36.75,54.75 37,54.5 ; 12.42,41.5 12.38,41.45 12.38,41.88 ; 12.42,54 12.38,53.95 12.38,54.38 ; 12.38,4.38 12.38,3.95 12.42,4 ; 12.42,29 12.38,28.95 12.38,29.38
  Top w0.5: 37,80 37,79.5 37.68,79.5 37.75,79.42 Q7.2 ; 36.5,19 36.5,18.5 ; 36.5,19 36.5,18.1 37,17.6 ; 36.5,19 Q73.2 ; 12.3,14.9 12.3,16.15 12.6,16.45 ; 37.25,4.43 37.18,4.5 37.18,4.57 ; 37,42.5 37,42 37.68,42 37.75,41.92 Q50.2 ; 12.6,53.95 12.3,53.65 12.3,52.4 ; 36.5,56.5 36.5,56 ; 36.5,56.5 36.5,55.6 37,55.1 ; 36.5,56.5 Q37.2 ; 12.6,91.45 12.3,91.15 12.3,89.9 ; 12.38,28.95 12.33,29 11.2,29 ; 12.38,16.45 12.33,16.5 11.2,16.5 ; 12.38,3.95 12.33,4 11.2,4 ; 36.5,6.5 36.5,5.6 37,5.1 ; 36.5,6.5 36.5,6 ; 36.5,6.5 Q85.2 ; Q26.2 37.75,66.92 37.68,67 37,67 37,67.5 ; 12.3,77.4 12.3,78.65 12.6,78.95 ; Q61.2 36.5,31.5 ; 36.5,31.5 36.5,30.6 37,30.1 ; 36.5,31.5 36.5,31 ; 12.6,28.95 12.3,28.65 12.3,27.4 ; 37.25,16.92 37.18,17 37.18,17.08 ; 37,30 37,29.5 37.68,29.5 37.75,29.42 Q62.2 ; 37,5 37,4.5 37.68,4.5 37.75,4.43 Q86.2 ; 36.5,69 36.5,68.5 ; 36.5,69 Q25.2 ; 36.5,69 36.5,68.1 37,67.6 ; 36.5,94 36.5,93.5 ; 36.5,94 36.5,93.1 37,92.6 ; 36.5,94 Q1.2 ; 37.18,42.08 37.18,42 37.25,41.92 ; Q4.2 36.5,81.5 ; 36.5,81.5 36.5,81 ; 36.5,81.5 36.5,80.6 37,80.1 ; 37.25,66.92 37.18,67 37.18,67.08 ; 12.38,41.45 12.33,41.5 11.2,41.5 ; 37.25,54.42 37.18,54.5 37.18,54.58 ; 37,42.6 36.5,43.1 36.5,44 ; Q2.2 37.75,91.92 37.68,92 37,92 37,92.5 ; 12.3,39.9 12.3,41.15 12.6,41.45 ; 12.6,66.45 12.3,66.15 12.3,64.9 ; 37,17.5 37,17 37.68,17 37.75,16.92 Q74.2 ; 37.18,29.58 37.18,29.5 37.25,29.42 ; 11.2,66.5 12.33,66.5 12.38,66.45 ; 12.38,91.45 12.33,91.5 11.2,91.5 ; 37.18,92.08 37.18,92 37.25,91.92 ; Q49.2 36.5,44 ; 36.5,44 36.5,43.5 ; 12.3,2.4 12.3,3.65 12.6,3.95 ; 37.25,79.42 37.18,79.5 37.18,79.58 ; 12.38,53.95 12.33,54 11.2,54 ; Q38.2 37.75,54.42 37.68,54.5 37,54.5 37,55 ; 12.38,78.95 12.33,79 11.2,79
  Bottom w0.2: v3(63.9,55.7) 63.8,55.6 62.4,55.6 62.3,55.5 61.3,55.5 60.2,54.4 58.7,54.4 58.45,54.15 56.95,54.15 56.7,54.4 53.6,54.4 53.1,54.9 51.9,54.9 51.5,54.5 48.4,54.5 47.9,55 46.9,55 46.3,54.4 44.8,54.4 44.1,55.1 v3(43,55.1) 42.8,55.1 42.6,55.3 41.2,55.3 40.8,54.9 37.9,54.9 37.8,55 v2(36.9,55) ; 37.2,79.5 37,79.7 37,80.1 ; 17.75,91.75 16.75,91.75 ; v3(63.9,18.2) 63.8,18.1 62.4,18.1 62.3,18 61.3,18 60.2,16.9 58.7,16.9 58.45,16.65 56.95,16.65 56.7,16.9 53.6,16.9 53.1,17.4 51.9,17.4 51.5,17 48.4,17 47.9,17.5 46.9,17.5 46.3,16.9 44.8,16.9 44.1,17.6 v3(43,17.6) 42.8,17.6 42.6,17.8 41.2,17.8 40.8,17.4 37.9,17.4 37.8,17.5 v2(36.9,17.5) ; v2(36.9,5) 37.8,5 37.9,4.9 40.8,4.9 41.2,5.3 42.6,5.3 42.8,5.1 v3(43,5.1) 44.1,5.1 44.8,4.4 46.3,4.4 46.9,5 47.9,5 48.4,4.5 51.5,4.5 51.9,4.9 53.1,4.9 53.6,4.4 56.7,4.4 56.95,4.15 58.45,4.15 58.7,4.4 60.2,4.4 61.3,5.5 62.3,5.5 62.4,5.6 63.8,5.6 v3(63.9,5.7) ; v3(63.9,80.7) 63.8,80.6 62.4,80.6 62.3,80.5 61.3,80.5 60.2,79.4 58.7,79.4 58.45,79.15 56.95,79.15 56.7,79.4 53.6,79.4 53.1,79.9 51.9,79.9 51.5,79.5 48.4,79.5 47.9,80 46.9,80 46.3,79.4 44.8,79.4 44.1,80.1 v3(43,80.1) 42.8,80.1 42.6,80.3 41.2,80.3 40.8,79.9 37.9,79.9 37.8,80 v2(36.9,80) ; 17.75,16.75 16.75,16.75 ; v2(36.9,30) 37.8,30 37.9,29.9 40.8,29.9 41.2,30.3 42.6,30.3 42.8,30.1 v3(43,30.1) 44.1,30.1 44.8,29.4 46.3,29.4 46.9,30 47.9,30 48.4,29.5 51.5,29.5 51.9,29.9 53.1,29.9 53.6,29.4 56.7,29.4 56.95,29.15 58.45,29.15 58.7,29.4 60.2,29.4 61.3,30.5 62.3,30.5 62.4,30.6 63.8,30.6 v3(63.9,30.7) ; 37,55.1 37,54.7 37.2,54.5 ; 17.75,29.25 16.75,29.25 ; v2(36.9,92.5) 37.8,92.5 37.9,92.4 40.8,92.4 41.2,92.8 42.6,92.8 42.8,92.6 v3(43,92.6) 44.1,92.6 44.8,91.9 46.3,91.9 46.9,92.5 47.9,92.5 48.4,92 51.5,92 51.9,92.4 53.1,92.4 53.6,91.9 56.7,91.9 56.95,91.65 58.45,91.65 58.7,91.9 60.2,91.9 61.3,93 62.3,93 62.4,93.1 63.8,93.1 v3(63.9,93.2) ; 37,42.6 37,42.2 37.2,42 ; 37.2,67 37,67.2 37,67.6 ; 17.75,54.25 16.75,54.25 ; v2(36.9,67.5) 37.8,67.5 37.9,67.4 40.8,67.4 41.2,67.8 42.6,67.8 42.8,67.6 v3(43,67.6) 44.1,67.6 44.8,66.9 46.3,66.9 46.9,67.5 47.9,67.5 48.4,67 51.5,67 51.9,67.4 53.1,67.4 53.6,66.9 56.7,66.9 56.95,66.65 58.45,66.65 58.7,66.9 60.2,66.9 61.3,68 62.3,68 62.4,68.1 63.8,68.1 v3(63.9,68.2) ; 37.2,92 37,92.2 37,92.6 ; 37.2,4.5 37,4.7 37,5.1 ; 17.75,41.75 16.75,41.75 ; 17.75,66.75 16.75,66.75 ; v3(63.9,43.2) 63.8,43.1 62.4,43.1 62.3,43 61.3,43 60.2,41.9 58.7,41.9 58.45,41.65 56.95,41.65 56.7,41.9 53.6,41.9 53.1,42.4 51.9,42.4 51.5,42 48.4,42 47.9,42.5 46.9,42.5 46.3,41.9 44.8,41.9 44.1,42.6 v3(43,42.6) 42.8,42.6 42.6,42.8 41.2,42.8 40.8,42.4 37.9,42.4 37.8,42.5 v2(36.9,42.5) ; 37,30.1 37,29.7 37.2,29.5 ; 17.75,4.25 16.75,4.25 ; 37,17.6 37,17.2 37.2,17 ; 17.75,79.25 16.75,79.25
  Bottom w0.5: 26.2,41.9 22.4,41.9 ; 26.2,41.9 36.8,41.9 v2(36.9,41.8) ; 26.2,41.9 25.7,41.9 ; 26.2,66.9 36.8,66.9 v2(36.9,66.8) ; 26.2,66.9 22.4,66.9 ; 26.2,66.9 25.7,66.9 ; v2(36.9,4.3) 36.8,4.4 26.2,4.4 ; 26.2,4.4 25.7,4.4 ; 26.2,4.4 22.4,4.4 ; 37.2,67 36.15,67 ; 36.15,4.5 37.2,4.5 ; 26.2,16.9 25.7,16.9 ; 26.2,16.9 22.4,16.9 ; 26.2,16.9 36.8,16.9 v2(36.9,16.8) ; 26.2,91.9 22.4,91.9 ; 26.2,91.9 25.7,91.9 ; 26.2,91.9 36.8,91.9 v2(36.9,91.8) ; 36.15,79.5 37.2,79.5 ; 26.2,54.4 36.8,54.4 v2(36.9,54.3) ; 26.2,54.4 25.7,54.4 ; 26.2,54.4 22.4,54.4 ; 26.2,79.4 25.7,79.4 ; 26.2,79.4 36.8,79.4 v2(36.9,79.3) ; 26.2,79.4 22.4,79.4 ; v2(36.9,29.3) 36.8,29.4 26.2,29.4 ; 36.15,17 37.2,17 ; 26.2,29.4 25.7,29.4 ; 26.2,29.4 22.4,29.4 ; 37.2,42 36.15,42 ; 36.15,54.5 37.2,54.5 ; 37.2,29.5 36.15,29.5 ; 36.15,92 37.2,92
  vias: v1(17.8,92.2) v1(17.8,79.7) v1(17.8,67.2) v1(17.8,54.7) v1(17.8,42.2) v1(17.8,29.7) v1(17.8,17.2) v1(17.8,4.7) v2(10.4,91.8) v2(10.4,79.3) v2(10.4,66.8) v2(10.4,54.3) v2(10.4,41.8) v2(10.4,29.3) v2(10.4,16.8) v2(10.4,4.3) v2(11.2,91.8) v2(11.2,79.3) v2(11.2,66.8) v2(11.2,54.3) v2(11.2,41.8) v2(11.2,29.3) v2(11.2,16.8) v2(11.2,4.3) v3(37.6,92.6) v3(37.6,80.1) v3(37.6,67.6) v3(37.6,55.1) v3(37.6,42.6) v3(37.6,30.1) v3(37.6,17.6) v3(37.6,5.1)
